# Allegro board SDHCalFEB.brd (continued)
## Routing (per net, layer and track width the routed paths; a pad name or vN(x,y) marks a point on that pad's centre or on a via; arc(x,y) is an arc through that point) (continued)
  TOP w0.813: v5(397.92,212.93) 398.74,213.75 J34.2 398.74,214.67 398.3,215.11 v5(398.3,215.65) ; v5(398.3,279.36) 398.3,278.89 398.74,278.45 J35.2 398.37,277.77 398.37,277.21 v5(397.97,276.81) ; v5(393.34,158.79) J34.3 v5(391.35,160.03) ; v5(398.18,225.08) 398.74,224.53 J35.4 398.74,223.3 398.37,222.94 v5(398.37,222.43) ; v5(391.16,278.13) J35.1 v5(393.34,279.65) ; v5(398.08,161.4) 398.74,160.75 J34.4 398.74,159.52 398.02,158.8 v5(398.02,158.79) ; v5(391.35,223.78) J35.3 v5(393.34,222.54) ; v5(393.34,215.61) J34.1 v5(391.35,214.37) ; v5(397.94,149.25) 398.74,150.04 J33.2 398.74,151.28 v5(398.04,151.97) ; v5(398.09,97.56) 398.74,96.92 J33.4 398.74,95.78 v5(397.99,95.04) ; v5(391.35,96.27) J33.3 v5(393.34,95.04) ; v5(391.35,150.62) J33.1 v5(393.34,151.86)
  GND1 w0.254: 257.45,195.54 v2(257.89,195.54) ; v2(257.89,195.54) 257.89,195.11 ; v2(257.89,195.54) 257.89,195.98 ; v2(257.89,195.54) 258.32,195.54 ; 168.17,63.21 v2(168.17,63.64) ; v2(168.17,63.64) 167.74,63.64 ; v2(168.17,63.64) 168.61,63.64 ; v2(168.17,63.64) 168.17,64.07 ; 15.39,340.97 v1(15.39,341.4) ; v1(15.39,341.4) 15.82,341.4 ; v1(15.39,341.4) 15.39,341.83 ; v1(15.39,341.4) 14.96,341.4 ; 293.14,116.1 v3(293.14,116.64) ; v3(293.14,116.64) 293.14,117.17 ; v3(293.14,116.64) 292.61,116.64 ; v3(293.14,116.64) 293.68,116.64 ; 190.3,70.61 v3(190.83,70.61) ; v3(190.83,70.61) 190.83,70.08 ; v3(190.83,70.61) 191.36,70.61 ; v3(190.83,70.61) 190.83,71.15 ; v1(262.97,24.26) 263.4,24.26 ; v1(262.97,24.26) 262.97,24.69 ; v1(262.97,24.26) 262.97,23.82 ; v1(262.97,24.26) 262.53,24.26 ; 221.62,333.1 v3(221.62,333.63) ; v3(221.62,333.63) 221.62,334.16 ; v3(221.62,333.63) 221.08,333.63 ; v3(221.62,333.63) 222.15,333.63 ; v1(270.79,15.39) 271.22,15.39 ; v1(270.79,15.39) 270.36,15.39 ; v1(270.79,15.39) 270.79,14.96 ; v1(270.79,15.39) 270.79,15.82 ; 218.47,235.37 v2(218.47,235.8) ; v2(218.47,235.8) 218.04,235.8 ; v2(218.47,235.8) 218.47,236.23 ; v2(218.47,235.8) 218.91,235.8 ; v2(255.95,130.68) 256.38,130.68 ; v2(255.95,130.68) 255.95,131.11 ; v2(255.95,130.68) 255.95,130.25 ; v2(255.95,130.68) 255.51,130.68 ; 299.26,153.21 v3(299.8,153.21) ; v3(299.8,153.21) 300.33,153.21 ; v3(299.8,153.21) 299.8,152.68 ; v3(299.8,153.21) 299.8,153.75 ; 179.16,221.03 v2(179.16,221.47) ; v2(179.16,221.47) 178.72,221.47 ; v2(179.16,221.47) 179.16,221.9 ; v2(179.16,221.47) 179.59,221.47 ; 262.1,24.84 v1(262.1,25.27) ; v1(262.1,25.27) 262.53,25.27 ; v1(262.1,25.27) 262.1,25.71 ; v1(262.1,25.27) 261.67,25.27 ; 39.04,171.48 v2(39.47,171.48) ; v2(39.47,171.48) 39.9,171.48 ; v2(39.47,171.48) 39.47,171.04 ; v2(39.47,171.48) 39.47,171.91 ; 99.62,100.25 v2(100.05,100.25) ; v2(100.05,100.25) 100.48,100.25 ; v2(100.05,100.25) 100.05,100.69 ; v2(100.05,100.25) 100.05,99.82 ; 13.46,220.47 v1(13.89,220.47) ; v1(13.89,220.47) 13.89,220.9 ; v1(13.89,220.47) 13.89,220.04 ; v1(13.89,220.47) 14.33,220.47 ; 391.36,249.05 v1(391.79,249.05) ; v1(391.79,249.05) 391.79,248.62 ; v1(391.79,249.05) 392.23,249.05 ; v1(391.79,249.05) 391.79,249.48 ; 193.68,335.56 v2(193.68,335.99) ; v2(193.68,335.99) 193.24,335.99 ; v2(193.68,335.99) 193.68,336.42 ; v2(193.68,335.99) 194.11,335.99 ; 150.57,322.35 v3(150.57,322.88) ; v3(150.57,322.88) 150.57,323.42 ; v3(150.57,322.88) 151.11,322.88 ; v3(150.57,322.88) 150.04,322.88 ; 26.59,321.96 v1(27.03,321.96) ; v1(27.03,321.96) 27.03,322.39 ; v1(27.03,321.96) 27.46,321.96 ; v1(27.03,321.96) 27.03,321.53 ; v2(239.08,154.09) 239.51,154.09 ; v2(239.08,154.09) 239.08,154.52 ; v2(239.08,154.09) 239.08,153.66 ; v2(239.08,154.09) 238.65,154.09 ; 265.06,86.46 v2(265.5,86.46) ; v2(265.5,86.46) 265.5,86.89 ; v2(265.5,86.46) 265.5,86.03 ; v2(265.5,86.46) 265.93,86.46 ; v2(37.13,321.52) 37.13,321.96 ; v2(37.13,321.52) 36.7,321.52 ; v2(37.13,321.52) 37.57,321.52 ; v2(37.13,321.52) 37.13,321.09 ; 150.46,278.63 v2(150.89,278.63) ; v2(150.89,278.63) 151.32,278.63 ; v2(150.89,278.63) 150.89,278.2 ; v2(150.89,278.63) 150.89,279.07 ; v2(238.13,157.33) 238.13,157.76 ; v2(238.13,157.33) 238.57,157.33 ; v2(238.13,157.33) 238.13,156.9 ; v2(238.13,157.33) 237.7,157.33 ; v3(307.7,158.88) 307.7,159.41 ; v3(307.7,158.88) 307.7,158.34 ; v3(307.7,158.88) 308.23,158.88 ; v3(307.7,158.88) 307.16,158.88 ; 93.9,199.06 v2(93.9,199.49) ; v2(93.9,199.49) 94.34,199.49 ; v2(93.9,199.49) 93.47,199.49 ; v2(93.9,199.49) 93.9,199.92 ; 136.63,319.58 v3(137.16,319.58) ; v3(137.16,319.58) 137.16,319.05 ; v3(137.16,319.58) 137.69,319.58 ; v3(137.16,319.58) 137.16,320.12 ; 160.3,260.32 v3(160.3,260.86) ; v3(160.3,260.86) 159.77,260.86 ; v3(160.3,260.86) 160.3,261.39 ; v3(160.3,260.86) 160.83,260.86 ; v3(318.13,106.45) 318.13,106.99 ; v3(318.13,106.45) 318.13,105.92 ; v3(318.13,106.45) 318.67,106.45 ; v3(318.13,106.45) 317.6,106.45 ; 112.8,32.36 v1(113.23,32.36) ; v1(113.23,32.36) 113.23,32.79 ; v1(113.23,32.36) 113.67,32.36 ; v1(113.23,32.36) 113.23,31.93 ; 95.5,6.52 v6(95.5,9.7) ; v6(95.5,9.7) 98.68,9.7 ; v6(95.5,9.7) 92.32,9.7 ; v6(95.5,9.7) 95.5,12.88 ; 119.15,302.31 v3(119.15,302.84) ; v3(119.15,302.84) 118.62,302.84 ; v3(119.15,302.84) 119.69,302.84 ; v3(119.15,302.84) 119.15,303.38 ; v3(186.99,273.02) 187.53,273.02 ; v3(186.99,273.02) 186.46,273.02 ; v3(186.99,273.02) 186.99,272.49 ; v3(186.99,273.02) 186.99,273.56 ; 8.69,268.93 v1(8.69,269.37) ; v1(8.69,269.37) 8.25,269.37 ; v1(8.69,269.37) 9.12,269.37 ; v1(8.69,269.37) 8.69,269.8 ; 352.88,346.41 v1(353.31,346.41) ; v1(353.31,346.41) 353.31,345.97 ; v1(353.31,346.41) 353.31,346.84 ; v1(353.31,346.41) 353.75,346.41 ; v3(150.57,197) 151.11,197 ; v3(150.57,197) 150.57,196.47 ; v3(150.57,197) 150.57,197.54 ; v3(150.57,197) 150.04,197 ; v3(277.85,188.82) 278.38,188.82 ; v3(277.85,188.82) 277.85,188.29 ; v3(277.85,188.82) 277.32,188.82 ; v3(277.85,188.82) 277.85,189.36 ; v1(27.83,310.44) 28.26,310.44 ; v1(27.83,310.44) 27.83,310.01 ; v1(27.83,310.44) 27.4,310.44 ; v1(27.83,310.44) 27.83,310.87 ; v2(300.75,278.63) 300.75,279.06 ; v2(300.75,278.63) 300.75,278.2 ; v2(300.75,278.63) 301.19,278.63 ; v2(300.75,278.63) 300.32,278.63 ; v1(41.3,358.7) 41.3,359.13 ; v1(41.3,358.7) 41.73,358.7 ; v1(41.3,358.7) 41.3,358.27 ; v1(41.3,358.7) 40.87,358.7 ; v3(44.73,239.83) 45.26,239.83 ; v3(44.73,239.83) 44.2,239.83 ; v3(44.73,239.83) 44.73,240.36 ; v3(44.73,239.83) 44.73,239.29 ; 80.87,141.35 v3(80.87,141.88) ; v3(80.87,141.88) 80.34,141.88 ; v3(80.87,141.88) 80.87,142.42 ; v3(80.87,141.88) 81.41,141.88 ; v2(323.46,219.51) 323.46,219.94 ; v2(323.46,219.51) 323.03,219.51 ; v2(323.46,219.51) 323.46,219.07 ; v2(323.46,219.51) 323.89,219.51 ; 250.57,321.64 v3(251.1,321.64) ; v3(251.1,321.64) 251.1,322.17 ; v3(251.1,321.64) 251.1,321.11 ; 165.89,51.74 v3(165.89,52.27) ; v3(165.89,52.27) 166.42,52.27 ; v3(165.89,52.27) 165.89,52.81 ; v3(165.89,52.27) 165.35,52.27 ; v2(137.45,281.1) 137.88,281.1 ; v2(137.45,281.1) 137.01,281.1 ; v2(137.45,281.1) 137.45,281.53 ; v2(137.45,281.1) 137.45,280.67 ; v3(255.83,325.48) 255.83,326.01 ; v3(255.83,325.48) 255.29,325.48 ; v3(255.83,325.48) 255.83,324.94 ; v3(255.83,325.48) 256.36,325.48 ; 28.75,340.28 v2(28.75,340.72) ; v2(28.75,340.72) 29.19,340.72 ; v2(28.75,340.72) 28.32,340.72 ; v2(28.75,340.72) 28.75,341.15 ; v2(33.07,37.59) 33.07,38.02 ; v2(33.07,37.59) 32.64,37.59 ; v2(33.07,37.59) 33.07,37.16 ; v2(33.07,37.59) 33.5,37.59 ; 25.86,332.87 v2(25.86,333.3) ; v2(25.86,333.3) 26.29,333.3 ; v2(25.86,333.3) 25.42,333.3 ; v2(25.86,333.3) 25.86,333.73 ; v2(120.31,236.5) 120.31,236.93 ; v2(120.31,236.5) 120.75,236.5 ; v2(120.31,236.5) 119.88,236.5 ; v2(120.31,236.5) 120.31,236.07 ; v2(154,90.02) 154.43,90.02 ; v2(154,90.02) 153.57,90.02 ; v2(154,90.02) 154,90.46 ; v2(154,90.02) 154,89.59 ; 247.9,349.45 v1(247.9,349.88) ; v1(247.9,349.88) 248.34,349.88 ; v1(247.9,349.88) 247.47,349.88 ; v1(247.9,349.88) 247.9,350.32 ; v3(141.43,190.86) 141.43,191.39 ; v3(141.43,190.86) 140.89,190.86 ; v3(141.43,190.86) 141.43,190.32 ; v3(141.43,190.86) 141.96,190.86 ; 52.85,89.99 v2(52.85,90.42) ; v2(52.85,90.42) 52.42,90.42 ; v2(52.85,90.42) 53.28,90.42 ; v2(52.85,90.42) 52.85,90.86 ; v1(45.11,21.1) 45.54,21.1 ; v1(45.11,21.1) 44.68,21.1 ; v1(45.11,21.1) 45.11,20.67 ; v1(45.11,21.1) 45.11,21.53 ; v2(265.43,121.35) 265.43,121.79 ; v2(265.43,121.35) 265.86,121.35 ; v2(265.43,121.35) 265,121.35 ; v2(265.43,121.35) 265.43,120.92 ; v1(21.18,40.64) 21.62,40.64 ; v1(21.18,40.64) 21.18,40.21 ; v1(21.18,40.64) 20.75,40.64 ; v1(21.18,40.64) 21.18,41.07 ; 391.79,141.43 v1(391.79,141.86) ; v1(391.79,141.86) 391.36,141.86 ; v1(391.79,141.86) 392.23,141.86 ; v1(391.79,141.86) 391.79,142.29 ; 75.77,299.04 v2(75.77,299.47) ; v2(75.77,299.47) 75.34,299.47 ; v2(75.77,299.47) 75.77,299.9 ; v2(75.77,299.47) 76.2,299.47 ; 160.03,193.62 v2(160.03,194.06) ; v2(160.03,194.06) 159.6,194.06 ; v2(160.03,194.06) 160.03,194.49 ; v2(160.03,194.06) 160.47,194.06 ; v3(256.29,76.23) 256.82,76.23 ; v3(256.29,76.23) 256.29,76.76 ; v3(256.29,76.23) 256.29,75.69 ; v3(256.29,76.23) 255.75,76.23 ; 396.34,129.46 v1(396.77,129.46) ; v1(396.77,129.46) 396.77,129.03 ; v1(396.77,129.46) 397.21,129.46 ; v1(396.77,129.46) 396.77,129.9 ; v1(119.43,368.6) 119.43,369.04 ; v1(119.43,368.6) 119.43,368.17 ; v1(119.43,368.6) 119.86,368.6 ; v1(119.43,368.6) 119,368.6 ; 284.66,195.12 v3(284.66,195.66) ; v3(284.66,195.66) 284.66,196.19 ; v3(284.66,195.66) 284.12,195.66 ; v3(284.66,195.66) 285.19,195.66 ; v1(383.69,97.15) 383.69,97.58 ; v1(383.69,97.15) 383.69,96.72 ; v1(383.69,97.15) 383.26,97.15 ; v1(383.69,97.15) 384.12,97.15 ; v2(151.1,152.14) 151.1,152.58 ; v2(151.1,152.14) 150.67,152.14 ; v2(151.1,152.14) 151.1,151.71 ; v2(151.1,152.14) 151.53,152.14 ; 56.57,109.12 v3(56.57,109.65) ; v3(56.57,109.65) 56.57,110.19 ; v3(56.57,109.65) 57.1,109.65 ; v3(56.57,109.65) 56.03,109.65 ; v1(63.56,14.35) 63.99,14.35 ; v1(63.56,14.35) 63.56,13.92 ; v1(63.56,14.35) 63.56,14.78 ; v1(63.56,14.35) 63.13,14.35 ; 256.03,84.12 v2(256.46,84.12) ; v2(256.46,84.12) 256.9,84.12 ; v2(256.46,84.12) 256.46,83.69 ; v2(256.46,84.12) 256.46,84.56 ; 262.1,180.31 v2(262.53,180.31) ; v2(262.53,180.31) 262.53,179.88 ; v2(262.53,180.31) 262.53,180.75 ; v2(262.53,180.31) 262.97,180.31 ; v2(340.79,256.92) 340.79,257.35 ; v2(340.79,256.92) 340.36,256.92 ; v2(340.79,256.92) 341.22,256.92 ; v2(340.79,256.92) 340.79,256.49 ; 330.12,58.98 v3(330.12,59.51) ; v3(330.12,59.51) 330.12,60.05 ; v3(330.12,59.51) 329.59,59.51 ; v3(330.12,59.51) 330.66,59.51 ; v2(56.09,177.9) 56.52,177.9 ; v2(56.09,177.9) 56.09,177.47 ; v2(56.09,177.9) 56.09,178.33 ; v2(56.09,177.9) 55.66,177.9 ; v1(368.45,320.78) 368.45,321.21 ; v1(368.45,320.78) 368.45,320.34 ; v1(368.45,320.78) 368.88,320.78 ; v1(368.45,320.78) 368.02,320.78 ; v2(155.55,244.91) 155.98,244.91 ; v2(155.55,244.91) 155.55,245.35 ; v2(155.55,244.91) 155.55,244.48 ; v2(155.55,244.91) 155.12,244.91 ; v1(364.36,238.02) 364.36,238.46 ; v1(364.36,238.02) 364.36,237.59 ; v1(364.36,238.02) 363.93,238.02 ; v1(364.36,238.02) 364.8,238.02 ; v3(42.55,116.41) 42.55,116.94 ; v3(42.55,116.41) 42.55,115.87 ; v3(42.55,116.41) 42.01,116.41 ; v3(42.55,116.41) 43.08,116.41 ; 230.91,91.14 v3(231.44,91.14) ; v3(231.44,91.14) 231.44,90.6 ; v3(231.44,91.14) 231.98,91.14 ; v2(65.89,278.55) 66.32,278.55 ; v2(65.89,278.55) 65.89,278.98 ; v2(65.89,278.55) 65.89,278.12 ; v2(65.89,278.55) 65.46,278.55 ; v2(224.61,41.13) 225.04,41.13 ; v2(224.61,41.13) 224.61,41.57 ; v2(224.61,41.13) 224.61,40.7 ; v2(224.61,41.13) 224.18,41.13 ; 172.39,278.41 v2(172.39,278.84) ; v2(172.39,278.84) 172.39,279.27 ; v2(172.39,278.84) 171.96,278.84 ; v2(172.39,278.84) 172.82,278.84 ; 220.29,178.44 v2(220.73,178.44) ; v2(220.73,178.44) 220.73,178.87 ; v2(220.73,178.44) 221.16,178.44 ; v2(220.73,178.44) 220.73,178 ; 59.61,5.97 v1(59.61,6.4) ; v1(59.61,6.4) 59.18,6.4 ; v1(59.61,6.4) 59.61,6.83 ; v1(59.61,6.4) 60.05,6.4 ; 244.58,61.87 v3(245.11,61.87) ; v3(245.11,61.87) 245.11,61.34 ; v3(245.11,61.87) 245.64,61.87 ; v3(245.11,61.87) 245.11,62.41 ; v2(169.84,162.36) 169.84,162.79 ; v2(169.84,162.36) 169.84,161.92 ; v2(169.84,162.36) 170.28,162.36 ; v2(169.84,162.36) 169.41,162.36 ; 38.3,285.52 v3(38.84,285.52) ; v3(38.84,285.52) 38.84,286.06 ; v3(38.84,285.52) 38.84,284.99 ; v3(38.84,285.52) 39.37,285.52 ; 104.14,291.79 v2(104.14,292.22) ; v2(104.14,292.22) 104.57,292.22 ; v2(104.14,292.22) 104.14,292.65 ; v2(104.14,292.22) 103.71,292.22 ; 96.47,144.26 v2(96.9,144.26) ; v2(96.9,144.26) 96.9,144.69 ; v2(96.9,144.26) 97.33,144.26 ; v2(96.9,144.26) 96.9,143.83 ; 298.48,75.4 v2(298.48,75.83) ; v2(298.48,75.83) 298.48,76.26 ; v2(298.48,75.83) 298.91,75.83 ; v2(298.48,75.83) 298.04,75.83 ; 153.19,13.03 v1(153.19,13.46) ; v1(153.19,13.46) 153.62,13.46 ; v1(153.19,13.46) 153.19,13.89 ; v1(153.19,13.46) 152.76,13.46 ; v2(313.41,138.15) 313.85,138.15 ; v2(313.41,138.15) 312.98,138.15 ; v2(313.41,138.15) 313.41,138.58 ; v2(313.41,138.15) 313.41,137.72 ; 105.69,208.29 v2(105.69,208.73) ; v2(105.69,208.73) 106.12,208.73 ; v2(105.69,208.73) 105.69,209.16 ; v2(105.69,208.73) 105.26,208.73 ; v3(283.85,52.35) 284.38,52.35 ; v3(283.85,52.35) 283.31,52.35 ; v3(283.85,52.35) 283.85,51.82 ; v3(283.85,52.35) 283.85,52.88 ; 114.25,21.74 v3(114.25,22.28) ; v3(114.25,22.28) 114.78,22.28 ; v3(114.25,22.28) 113.72,22.28 ; v3(114.25,22.28) 114.25,22.81 ; v2(186.84,237.97) 187.27,237.97 ; v2(186.84,237.97) 186.4,237.97 ; v2(186.84,237.97) 186.84,237.54 ; v2(186.84,237.97) 186.84,238.4 ; 250.98,92.35 v3(250.98,92.89) ; v3(250.98,92.89) 251.51,92.89 ; v3(250.98,92.89) 250.98,93.42 ; v3(250.98,92.89) 250.44,92.89 ; v1(388.58,99.52) 389.01,99.52 ; v1(388.58,99.52) 388.58,99.08 ; v1(388.58,99.52) 388.15,99.52 ; v1(388.58,99.52) 388.58,99.95 ; 74.07,57.1 v3(74.6,57.1) ; v3(74.6,57.1) 75.13,57.1 ; v3(74.6,57.1) 74.6,57.63 ; v3(74.6,57.1) 74.6,56.57 ; v3(274.04,192.63) 274.57,192.63 ; v3(274.04,192.63) 273.51,192.63 ; v3(274.04,192.63) 274.04,193.17 ; v3(274.04,192.63) 274.04,192.1 ; v2(179.37,258.52) 179.81,258.52 ; v2(179.37,258.52) 178.94,258.52 ; v2(179.37,258.52) 179.37,258.95 ; v2(179.37,258.52) 179.37,258.09 ; v2(131.56,90.42) 131.99,90.42 ; v2(131.56,90.42) 131.56,90.86 ; v2(131.56,90.42) 131.56,89.99 ; v2(131.56,90.42) 131.13,90.42 ; 316.89,231.93 v2(316.89,232.36) ; v2(316.89,232.36) 317.32,232.36 ; v2(316.89,232.36) 316.89,232.79 ; v2(316.89,232.36) 316.46,232.36 ; v3(83.44,294.26) 83.44,294.79 ; v3(83.44,294.26) 82.91,294.26 ; v3(83.44,294.26) 83.44,293.73 ; v3(83.44,294.26) 83.97,294.26 ; 130.28,232.66 v3(130.81,232.66) ; v3(130.81,232.66) 131.34,232.66 ; v3(130.81,232.66) 130.81,232.13 ; v3(130.81,232.66) 130.81,233.2 ; v3(180.31,122.86) 180.31,123.39 ; v3(180.31,122.86) 180.85,122.86 ; v3(180.31,122.86) 179.78,122.86 ; v3(180.31,122.86) 180.31,122.33 ; v2(119.91,158.43) 120.35,158.43 ; v2(119.91,158.43) 119.91,158.86 ; v2(119.91,158.43) 119.91,158 ; v2(119.91,158.43) 119.48,158.43 ; 16.46,156.69 v1(16.89,156.69) ; v1(16.89,156.69) 16.89,156.25 ; v1(16.89,156.69) 16.89,157.12 ; v1(16.89,156.69) 17.32,156.69 ; v1(356.54,356.08) 356.97,356.08 ; v1(356.54,356.08) 356.54,355.65 ; v1(356.54,356.08) 356.11,356.08 ; v1(356.54,356.08) 356.54,356.51 ; v2(265.51,43.07) 265.51,43.5 ; v2(265.51,43.07) 265.07,43.07 ; v2(265.51,43.07) 265.51,42.63 ; v2(265.51,43.07) 265.94,43.07 ; 394.45,192.92 v1(394.88,192.92) ; v1(394.88,192.92) 395.31,192.92 ; v1(394.88,192.92) 394.88,193.35 ; v1(394.88,192.92) 394.88,192.48 ; v2(97.54,36.37) 97.54,36.81 ; v2(97.54,36.37) 97.1,36.37 ; v2(97.54,36.37) 97.97,36.37 ; v2(97.54,36.37) 97.54,35.94 ; 220.92,77.05 v2(221.35,77.05) ; v2(221.35,77.05) 221.35,77.48 ; v2(221.35,77.05) 221.35,76.62 ; v2(221.35,77.05) 221.78,77.05 ; 86.08,295.54 v2(86.51,295.54) ; v2(86.51,295.54) 86.51,295.1 ; v2(86.51,295.54) 86.94,295.54 ; v2(86.51,295.54) 86.51,295.97 ; v2(211.38,265.28) 211.81,265.28 ; v2(211.38,265.28) 211.38,264.85 ; v2(211.38,265.28) 211.38,265.71 ; v2(211.38,265.28) 210.95,265.28 ; v3(166.83,127.58) 167.36,127.58 ; v3(166.83,127.58) 166.83,127.05 ; v3(166.83,127.58) 166.29,127.58 ; v3(166.83,127.58) 166.83,128.12 ; v1(130.84,366.14) 131.27,366.14 ; v1(130.84,366.14) 130.4,366.14 ; v1(130.84,366.14) 130.84,366.57 ; v1(130.84,366.14) 130.84,365.71 ; v2(254.18,66.07) 254.18,66.5 ; v2(254.18,66.07) 254.18,65.64 ; v2(254.18,66.07) 253.75,66.07 ; v2(254.18,66.07) 254.61,66.07 ; v2(246.29,136.6) 246.29,137.03 ; v2(246.29,136.6) 245.86,136.6 ; v2(246.29,136.6) 246.72,136.6 ; v2(246.29,136.6) 246.29,136.17 ; 281.57,170.03 v2(281.57,170.46) ; v2(281.57,170.46) 282.01,170.46 ; v2(281.57,170.46) 281.14,170.46 ; v2(281.57,170.46) 281.57,170.89 ; v1(373.71,94.41) 374.14,94.41 ; v1(373.71,94.41) 373.71,94.84 ; v1(373.71,94.41) 373.28,94.41 ; v1(373.71,94.41) 373.71,93.98 ; v2(257.86,295.57) 258.29,295.57 ; v2(257.86,295.57) 257.86,295.14 ; v2(257.86,295.57) 257.42,295.57 ; v2(257.86,295.57) 257.86,296.01 ; 282.87,170.03 v2(282.87,170.46) ; v2(282.87,170.46) 282.44,170.46 ; v2(282.87,170.46) 282.87,170.89 ; v2(282.87,170.46) 283.31,170.46 ; 210.08,264.85 v2(210.08,265.28) ; v2(210.08,265.28) 209.65,265.28 ; v2(210.08,265.28) 210.51,265.28 ; v2(210.08,265.28) 210.08,265.71 ; 296.87,350.88 v2(297.31,350.88) ; v2(297.31,350.88) 297.74,350.88 ; v2(297.31,350.88) 297.31,351.31 ; v2(297.31,350.88) 297.31,350.44 ; 394.88,109.68 v1(394.88,110.11) ; v1(394.88,110.11) 394.45,110.11 ; v1(394.88,110.11) 395.31,110.11 ; v1(394.88,110.11) 394.88,110.54 ; 135.61,174.19 v3(135.61,174.73) ; v3(135.61,174.73) 136.14,174.73 ; v3(135.61,174.73) 135.61,175.26 ; v3(135.61,174.73) 135.08,174.73 ; v3(150.06,212.37) 150.06,212.9 ; v3(150.06,212.37) 149.53,212.37 ; v3(150.06,212.37) 150.06,211.84 ; v3(150.06,212.37) 150.6,212.37 ; 68.33,76.51 v2(68.76,76.51) ; v2(68.76,76.51) 68.76,76.08 ; v2(68.76,76.51) 69.19,76.51 ; v2(68.76,76.51) 68.76,76.95 ; 260.5,303.53 v2(260.5,303.96) ; v2(260.5,303.96) 260.07,303.96 ; v2(260.5,303.96) 260.5,304.39 ; v2(260.5,303.96) 260.93,303.96 ; 308.74,234.52 v2(309.17,234.52) ; v2(309.17,234.52) 309.17,234.09 ; v2(309.17,234.52) 309.6,234.52 ; v2(309.17,234.52) 309.17,234.95 ; v3(288.14,18.9) 288.67,18.9 ; v3(288.14,18.9) 288.14,18.36 ; v3(288.14,18.9) 288.14,19.43 ; v3(288.14,18.9) 287.6,18.9 ; 76.45,200.89 v3(76.99,200.89) ; v3(76.99,200.89) 76.99,200.35 ; v3(76.99,200.89) 77.52,200.89 ; v3(76.99,200.89) 76.99,201.42 ; v2(291.33,98.88) 291.33,99.31 ; v2(291.33,98.88) 291.33,98.45 ; v2(291.33,98.88) 291.76,98.88 ; v2(291.33,98.88) 290.9,98.88 ; 344.27,104.56 v2(344.7,104.56) ; v2(344.7,104.56) 344.7,105 ; v2(344.7,104.56) 344.7,104.13 ; v2(344.7,104.56) 345.14,104.56 ; 185.83,361.7 v1(185.83,362.13) ; v1(185.83,362.13) 185.83,362.56 ; v1(185.83,362.13) 185.39,362.13 ; v1(185.83,362.13) 186.26,362.13 ; v3(333.68,331.44) 334.21,331.44 ; v3(333.68,331.44) 333.68,330.91 ; v3(333.68,331.44) 333.15,331.44 ; v3(333.68,331.44) 333.68,331.98 ; v3(80.87,191.47) 81.41,191.47 ; v3(80.87,191.47) 80.87,190.93 ; v3(80.87,191.47) 80.87,192 ; v3(80.87,191.47) 80.34,191.47 ; 11.99,216.23 v1(11.99,216.66) ; v1(11.99,216.66) 12.42,216.66 ; v1(11.99,216.66) 11.56,216.66 ; v1(11.99,216.66) 11.99,217.09 ; v3(109.68,108.56) 110.21,108.56 ; v3(109.68,108.56) 109.14,108.56 ; v3(109.68,108.56) 109.68,108.03 ; v3(109.68,108.56) 109.68,109.09 ; v2(179.12,178.21) 179.12,178.64 ; v2(179.12,178.21) 179.12,177.77 ; v2(179.12,178.21) 178.69,178.21 ; v2(179.12,178.21) 179.55,178.21 ; v2(222.66,203.52) 222.66,203.95 ; v2(222.66,203.52) 222.66,203.08 ; v2(222.66,203.52) 223.09,203.52 ; v2(222.66,203.52) 222.23,203.52 ; v2(301.37,283.53) 301.8,283.53 ; v2(301.37,283.53) 301.37,283.96 ; v2(301.37,283.53) 300.93,283.53 ; v2(301.37,283.53) 301.37,283.09 ; 170.08,347.65 v1(170.51,347.65) ; v1(170.51,347.65) 170.51,348.08 ; v1(170.51,347.65) 170.94,347.65 ; v1(170.51,347.65) 170.51,347.22 ; 170.84,153.33 v2(170.84,153.76) ; v2(170.84,153.76) 170.84,154.2 ; v2(170.84,153.76) 170.41,153.76 ; v2(170.84,153.76) 171.27,153.76 ; v1(364.62,35.28) 364.62,35.71 ; v1(364.62,35.28) 364.62,34.85 ; v1(364.62,35.28) 364.18,35.28 ; v1(364.62,35.28) 365.05,35.28 ; v3(263.65,312.8) 264.19,312.8 ; v3(263.65,312.8) 263.65,313.33 ; v3(263.65,312.8) 263.12,312.8 ; v3(263.65,312.8) 263.65,312.27 ; v2(64.59,281.16) 64.59,281.6 ; v2(64.59,281.16) 64.15,281.16 ; v2(64.59,281.16) 64.59,280.73 ; v2(64.59,281.16) 65.02,281.16 ; v2(316.81,113.5) 317.25,113.5 ; v2(316.81,113.5) 316.38,113.5 ; v2(316.81,113.5) 316.81,113.06 ; v2(316.81,113.5) 316.81,113.93 ; 35.18,314.93 v3(35.71,314.93) ; v3(35.71,314.93) 36.25,314.93 ; v3(35.71,314.93) 35.71,315.47 ; v3(35.71,314.93) 35.71,314.4 ; 130.89,193.5 v3(131.42,193.5) ; v3(131.42,193.5) 131.95,193.5 ; v3(131.42,193.5) 131.42,192.96 ; v3(131.42,193.5) 131.42,194.03 ; v2(162.94,57.68) 162.94,58.12 ; v2(162.94,57.68) 162.94,57.25 ; v2(162.94,57.68) 163.37,57.68 ; v2(162.94,57.68) 162.51,57.68 ; 361.52,227.7 v6(364.7,227.7) ; v6(364.7,227.7) 364.7,224.52 ; v6(364.7,227.7) 367.88,227.7 ; v6(364.7,227.7) 364.7,230.88 ; 14.17,236.91 v1(14.17,237.34) ; v1(14.17,237.34) 13.74,237.34 ; v1(14.17,237.34) 14.17,237.77 ; v1(14.17,237.34) 14.61,237.34 ; 20.68,7.49 v1(21.11,7.49) ; v1(21.11,7.49) 21.54,7.49 ; v1(21.11,7.49) 21.11,7.06 ; v1(21.11,7.49) 21.11,7.93 ; v2(39.9,175